# Altium PCB LimePSB-RPCM_1v5.PcbDoc (part 12 of 12)
Units mm, origin at the board's own origin, x right, y up, seen from the top; angles counter-clockwise.
Board outline 170 x 110 mm, 6 copper layers (Top, L2, L3, L4, L5, Bottom), stack 1.583 mm thick; 998 components, 580 nets, 4160 pads, 1908 vias.
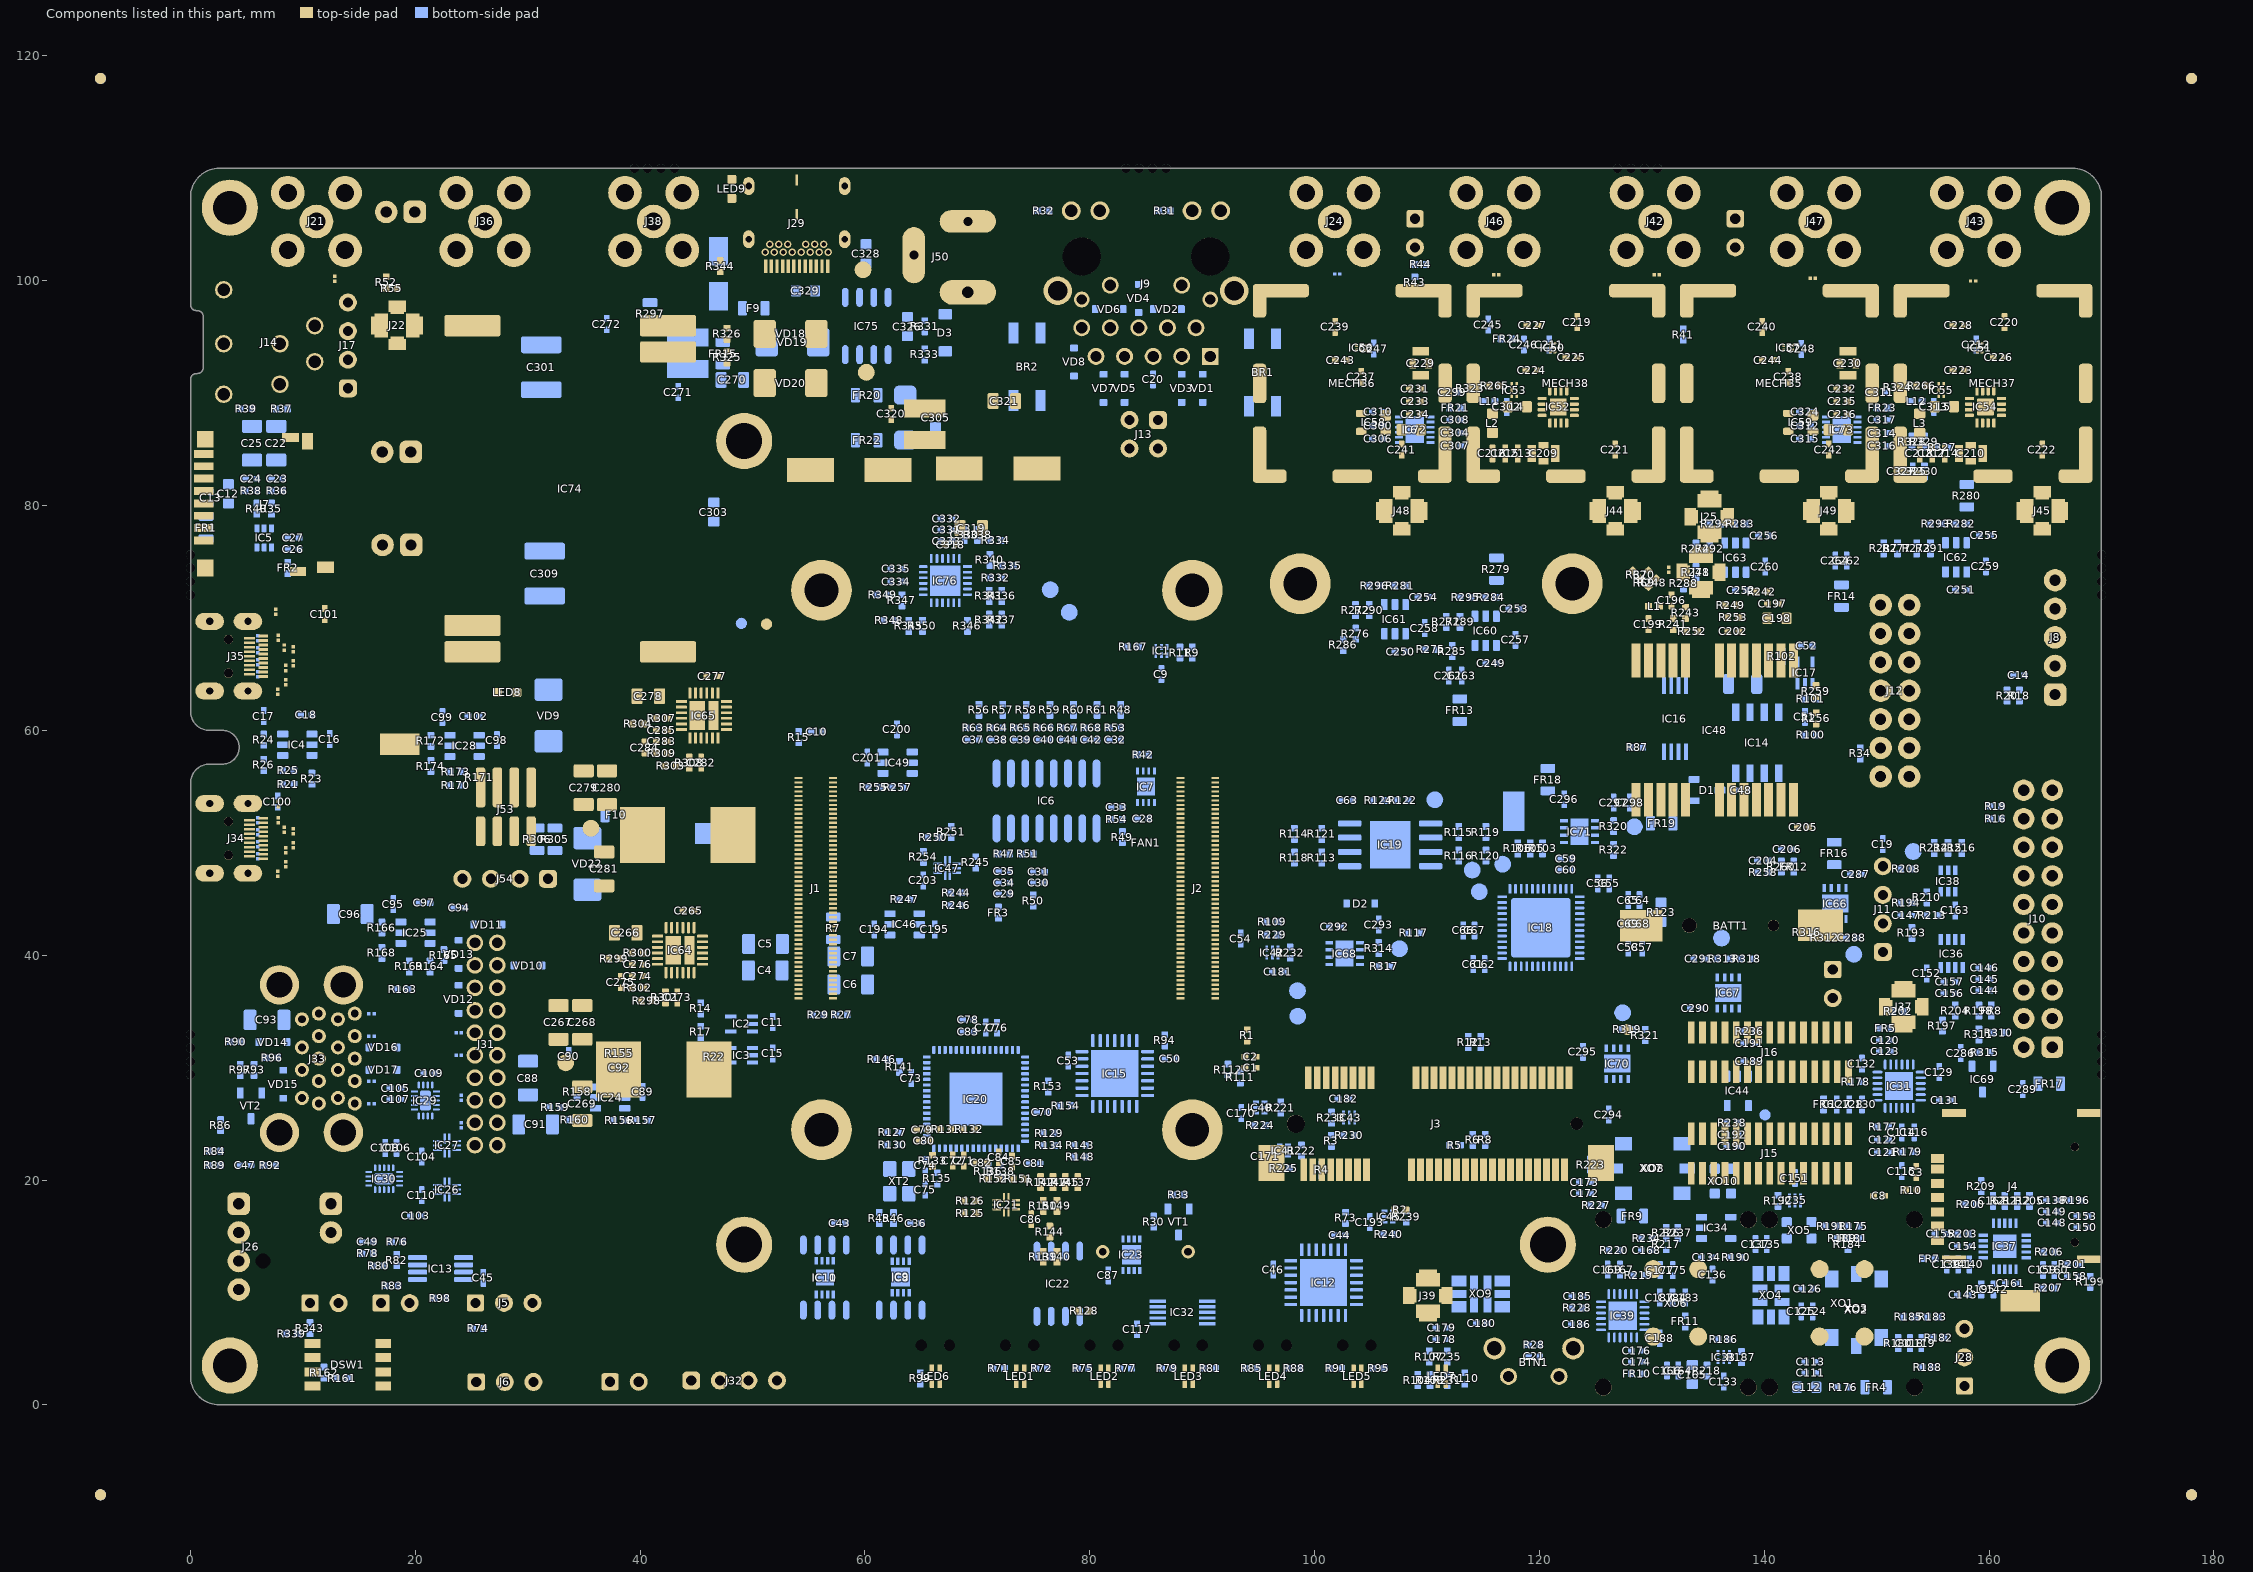
[diagram p16: the components of this part, seen from the top]

## Silkscreen, mask and mechanical layers (free items; w line width, h text height) (continued)
Mechanical1:
  drawing of 2615 lines, arcs and shapes, not listed
  text "v.PROJECT_VERSION" at 387.325,286.525 h7
  text "LimePSB RPCM" at 337.5,286.5 h7
  text "CONTROLLED IMPEDANCE" at 197.6,273 h3
  text "STACKUP AND LAYER DESCRIPTION" at 326.6,273 h3
  text "GENERAL PARAMETERS" at 211.5,266.5 h1.7
  text "Parameter" at 233.5,262.725 h1.5
  text "Layer/Layers" at 279,262.5 h1.5
  text "Value" at 309,262.5 h1.5
  text "Top" at 274,257.7 h1.5
  text "17.5um" at 301.3,257.7 h1.5
  text "Copper foil thickness" at 198.5,257.5 h1.5
  text "173um (6.8 mils)" at 300.6,253.1 h1.5
  text "Dielectric thickness between layers" at 198.5,252.5 h1.5
  text "4.2" at 301.5,247.7 h1.5
  text "Dielectric permittivity between layers (Er)" at 198.5,247.5 h1.5
  text "Top-L2" at 274,246.5 h1.5
  text "17.5um" at 301.3,242.7 h1.5
  text "Copper foil thickness" at 198.5,242.5 h1.5
  text "Bottom" at 274,241.5 h1.5
  text "173um (6.8 mils)" at 300.6,238.1 h1.5
  text "Dielectric thickness between layers" at 198.5,237.5 h1.5
  text "TH via" at 460.725,234.975 h1.52
  text "GERBER LAYER NAMES:" at 334.325,233.575 h1.52
  text "4.2" at 301.5,232.7 h1.5
  text "Dielectric permittivity between layers (Er)" at 198.5,232.5 h1.5
  text "Top-Bot" at 460.175,231.9 h1.52
  text "Bottom-L5" at 274,231.6 h1.5
  text "GTP" at 335.425,230.025 h1.52
  text "Top solder paste" at 340.525,229.675 h1
  text "GTO" at 335.425,226.95 h1.52
  text "Silkscreen" at 340.425,226.725 h1
  text "ELECTRICAL LAYERS:" at 474.725,225.475 h1.52
  text "CALCULATIONS" at 197.5,225 h1.7
  text "GTS" at 335.425,224.275 h1.52
  text "Soldermask (halogen free)" at 340.425,222.975 h1
  text "Top: RF//PWR/GND" at 475.4,222 h1.52
  text "GTL" at 335.425,221.775 h1.52
  text "0.5oz+plating" at 340.425,221.275 h1
  text "Target impedance" at 204.5,220 h1.5
  text "Single-ended" at 274,220 h1.5
  text "50R" at 300.5,220 h1.5
  text "6.8mil (173um)" at 372.285,219.1 h1
  text "IT180A: 1086X1+2113X1" at 389.385,219.1 h1.2
  text "PP" at 362.725,218.975 h1
  text "G1" at 335.425,217.275 h1.52
  text "L2: GND" at 475.425,216.975 h1.52
  text "1oz (35um)" at 340.285,216.925 h1
  text "Additional comments" at 204.5,215 h1.5
  text "Top layer, no side GND plane" at 274,215 h1.5
  text "10mil (250um)" at 372.285,214.6 h1
  text "IT180A: 2116X2" at 389.385,214.6 h1.2
  text "CORE" at 362.725,214.475 h1
  text "G2" at 335.425,212.775 h1.52
  text "L3: Signal/PWR/GND" at 475.425,212.475 h1.52
  text "1oz (35um)" at 340.285,212.425 h1
  text "IT180A: 7628X2" at 389.335,210.1 h1.2
  text "18mil (450um)" at 372.235,210.05 h1
  text "Top layer copper foil thickness" at 204.5,210 h1.5
  text "17.5 um" at 274,210 h1.5
  text "PP" at 362.725,209.975 h1
  text "G3" at 335.425,208.275 h1.52
  text "L4: PWR/Signal/GND" at 475.425,207.975 h1.52
  text "1oz (35um)" at 340.285,207.925 h1
  text "10mil (250um)" at 372.285,205.6 h1
  text "IT180A: 2116X2" at 389.385,205.6 h1.2
  text "CORE" at 362.725,205.475 h1
  text "Track width" at 204.5,205 h1.5
  text "0.325 mm (12.795 mils)" at 274,205 h1.5
  text "G4" at 335.425,203.775 h1.52
  text "L5: GND" at 475.525,203.475 h1.52
  text "1oz (35um)" at 340.285,203.425 h1
  text "IT180A: 1086X1+2113X1" at 389.41,201.3 h1.2
  text "6.8mil (173um)" at 372.285,201.1 h1
  text "PP" at 362.725,200.975 h1
  text "173um (6.8 mils)" at 274,200.1 h1.5
  text "Dielectric layer thickness" at 204.5,200 h1.5
  text "GBL" at 335.425,199.275 h1.52
  text "Bottom: RF/Signal/PWR/GND" at 475.475,199.25 h1.52
  text "0.5oz+plating" at 340.425,198.775 h1
  text "GBS" at 335.425,196.775 h1.52
  text "173um (6.8 mils)" at 300.6,196.6 h1.5
  text "Dielectric thickness between layers" at 204.5,196 h1.5
  text "Soldermask (halogen free)" at 340.425,195.575 h1
  text "ADDITIONAL LAYERS:" at 477.725,194.975 h1.52
  text "GBO" at 335.425,194.175 h1.52
  text "Silkscreen" at 340.425,193.975 h1
  text "4.2" at 301.5,191.2 h1.5
  text "GBP" at 335.425,191.2 h1.52
  text "Bottom solder paste" at 340.425,191 h1
  text "Mechanical 1: Board cutout" at 480.425,190.775 h1.52
  text "Dielectric permittivity between layers (Er)" at 204.5,190 h1.5
  text "Top-L2" at 274,190 h1.5
  text "Total PCB thicknes: 1.6mm +/- 10%" at 359.025,188.475 h1.52
  text "Via type #1" at 417.475,188.275 h1.52
  text "ASM TOP: Assembly top" at 480.425,187.775 h1.52
  text "0.2mm drill / 0.4mm ring" at 458.725,187.033 h1.2
  text "49.99 Ohms (+/- 10% tolerance)" at 274,185.1 h1.5
  text "RF (Top)" at 204,185 h2 r90
  text "Approximate microstrip line impedance" at 204.5,185 h1.5
  text "ASM BOT: Assembly bottom" at 480.425,184.775 h1.52
  text "Mechanical 13: Component 3D body" at 480.425,181.775 h1.52
  text "Target impedance" at 204.5,180 h1.5
  text "Differential" at 274,180 h1.5
  text "100R" at 300.5,180 h1.5
  text "Notes: Board shape and frame" at 480.5,178.85 h1.52
  text "Additional comments" at 204.5,175 h1.5
  text "Top layer, no side GND plane" at 274,175 h1.5
  text "Top layer copper foil thickness" at 204.5,170 h1.5
  text "17.5 um" at 274,170 h1.5
  text "Track width" at 204.5,165 h1.5
  text "0.2 mm (7.874 mils)" at 274,165 h1.5
  text "Track spacing" at 204.5,160 h1.5
  text "0.14 mm (5.511 mils)" at 274,160 h1.5
  text "173um (6.8 mils)" at 274,155.1 h1.5
  text "Dielectric layer thickness" at 204.5,155 h1.5
  text "173um (6.8 mils)" at 300.6,151.6 h1.5
  text "Dielectric thickness between layers" at 204.5,151 h1.5
  text "4.2" at 301.5,146.2 h1.5
  text "Dielectric permittivity between layers (Er)" at 204.5,145 h1.5
  text "Top-L2" at 274,145 h1.5
  text "100.6 Ohms (+/- 10% tolerance)" at 274,140.1 h1.5
  text "HDMI (Top)" at 204,140 h2 r90
  text "Approximate microstrip line impedance" at 204.5,140 h1.5
  text "Target impedance" at 204.5,135 h1.5
  text "Differential" at 274,135 h1.5
  text "90R" at 300.5,135 h1.5
  text "Additional comments" at 204.5,130 h1.5
  text "Top, bottom layer" at 274,130 h1.5
  text "Board Cutout" at 76.725,127.075 h1.5
  text "Top layer copper foil thickness" at 204.5,125 h1.5
  text "17.5 um" at 274,125 h1.5
  text "VERY IMPORTANT NOTES" at 326.6,121.8 h3
  text "Track width" at 204.5,120 h1.5
  text "0.2 mm (7.874 mils)" at 274,120 h1.5
  text "GENERAL PCB SPECS" at 326.6,115.3 h1.7
  text "ADDITIONAL REQUIREMENTS" at 435.6,115.3 h1.7
  text "Track spacing" at 204.5,115 h1.5
  text "0.1 mm (3.94 mils)" at 274,115 h1.5
  text "Minimum copper to copper spacing" at 327.5,110.3 h1.5
  text "0.1mm (3.9mil)" at 383,110.3 h1.5
  text "173um (6.8 mils)" at 274,110.1 h1.5
  text "Dielectric layer thickness" at 204.5,110 h1.5
  text "173um (6.8 mils)" at 300.6,106.6 h1.5
  text "Dielectric thickness between layers" at 204.5,106 h1.5
  text "Minimum track width" at 327.5,105.3 h1.5
  text "0.1mm (3.9mil)" at 383,105.3 h1.5
  text "Electrical test : 100 % netlist." at 440.55,105.3 h1.5
  text "4.2" at 301.5,101.2 h1.5
  text "PCB thickness" at 327.5,100.3 h1.5
  text "1.6mm +/-10%" at 383,100.3 h1.5
  text "Dielectric permittivity between layers (Er)" at 204.5,100 h1.5
  text "Top-L2; Bottom-L5" at 274,100 h1.5
  text "Boards are to be individually bagged." at 440.55,95.3 h1.5
  text "86 Ohms (+/- 10% tolerance)" at 274,95.1 h1.5
  text "USB3 (Top, Bottom)" at 204,95 h2 r90
  text "Approximate microstrip line impedance" at 204.5,95 h1.5
  text "PCB material" at 327.5,90.3 h1.5
  text "IT-180A preferred or equivalent RF-rated material (up to 3 GHz or higher)" at 384,90.2 h1.5
  text "Target impedance" at 204.5,90.1 h1.5
  text "Differential" at 274,90.1 h1.5
  text "90R" at 300.5,90.1 h1.5
  text "External layer" at 383,85.3 h1.5
  text "0.5 oz+plating" at 409.6,85.3 h1.5
  text "PCB vendor to silkscreen UL and RoHS compliance marks, vendor logo and date code on bottom where shown (ignore if none of the info will be placed on PCB)" at 440.55,85.3 h1.5
  text "Additional comments" at 204.5,85.1 h1.5
  text "L3 layer track with L2 reference" at 274,85.1 h1.5
  text "Copper weight" at 327.5,80.5 h1.5
  text "Internal layer" at 383,80.3 h1.5
  text "1 oz" at 409.5,80.3 h1.5
  text "Top layer copper foil thickness" at 204.5,80.1 h1.5
  text "17.5 um" at 274,80.1 h1.5
  text "DARK BLUE" at 383,75.3 h1.5
  text "Track width" at 204.5,75.1 h1.5
  text "0.15 mm (5.91 mils)" at 274,75.1 h1.5
  text "RPI CM4" at 71.4,74.45 h1
  text "Assembly note: Assembly house MUST provide notes in paper with shipped board if there were any changes during assembly and the board is not assembled 100% according to BOM and P&P files. Note example:" at 440.55,72.3 h1.5
  text "Both sides" at 383,70.3 h1.5
  text "Track spacing" at 204.5,70.1 h1.5
  text "0.1 mm (3.94 mils)" at 274,70.1 h1.5
  text "NPTH" at 75.35,68.3 h1
  text "Comment" at 501.3,68.25 h1.5
  text "Part" at 441.9,67 h1.5
  text "Initial BOM asm. note" at 450.3,67 h1.5
  text "Current PCB status" at 468.3,67 h1.5
  text "Halogen free" at 383,65.3 h1.5
  text "173um (6.8 mils)" at 274,65.2 h1.5
  text "Dielectric layer thickness" at 204.5,65.1 h1.5
  text "R1" at 443.15,62 h1.5
  text "FIT" at 456.4,62 h1.5
  text "NF" at 474.65,62 h1.5
  text "250um (10 mils)" at 300.6,61.7 h1.5
  text "Not mounted due to bad footprint" at 485.9,61.5 h1.5
  text "Dielectric thickness between layers" at 204.5,61.1 h1.5
  text "Solder mask" at 327.5,60.3 h1.5
  text "Glossy finish (NOT matte)" at 383,60.3 h1.5
  text "IC5" at 442.65,59 h1.5
  text "FIT" at 456.4,59 h1.5
  text "NF" at 474.65,58.5 h1.5
  text "Not mounted due to part shortage" at 485.9,58 h1.5
  text "4.2" at 301.5,56.3 h1.5
  text "White epoxy ink" at 383,55.3 h1.5
  text "Dielectric permittivity between layers (Er)" at 204.5,55.1 h1.5
  text "L2-L3" at 274,55.1 h1.5
  text "pin 102" at 91.4,54.075 h0.55 r90
  text "pin 101" at 88.05,54.05 h0.55 r90
  text "pin 2" at 58,53.175 h0.55 r90
  text "pin 1" at 54.65,53.15 h0.55 r90
  text "Mini PCIe card" at 104.175,51.05 h1
  text "Both sides" at 383,50.3 h1.5
  text "93 Ohms (+/- 10% tolerance)" at 274,50.2 h1.5
  text "USB3, HDMI (L3)" at 204,50.1 h2 r90
  text "Approximate microstrip line impedance" at 204.5,50.1 h1.5
  text "Halogen free" at 383,45.3 h1.5
  text "Silkscreen" at 327.5,40.3 h1.5
  text "No silkscreen on pads" at 383,40.3 h1.5
  text "Plated" at 383,35.3 h1.5
  text "Non-plated" at 409.5,35.3 h1.5
  text "pin 200" at 91.075,34.725 h0.55 r90
  text "pin 199" at 87.725,34.7 h0.55 r90
  text "pin 100" at 57.675,33.825 h0.55 r90
  text "pin 99" at 54.325,33.8 h0.55 r90
  text "Hole types on the PCB and information" at 327.5,25.3 h1.5
  text "Hole diameters are final manufactured diameters INCLUDING HOLE METALIZATION." at 387.2,25.3 h1.5
  text "WiFi Cutout" at 68.875,21.425 h0.55 r90
  text "V-score" at 383.75,20.3 h1.5
  text "Tab route" at 409.5,20.3 h1.5
  text "Route process" at 327.5,15.3 h1.5
  text "V-score and tab route" at 383.75,15.3 h1.5
  text "Panel" at 327.4,10.3 h1.5
  text "Yes" at 383.75,10.3 h1.5
  text "No" at 409.5,10.3 h1.5
  text "HASL lead free" at 383.75,5.3 h1.5
  text "HASL with lead" at 383.75,0.3 h1.5
  text "Immersion gold" at 383.75,-4.7 h1.5
  text "0.05-0.10um of gold over / 2.50-5.00um of nickel" at 405.15,-4.8 h1
  text "OSP" at 383.75,-9.7 h1.5
  text "Surface finish (both sides)" at 327.3,-15 h1.5
  text "Hard gold" at 383.75,-15 h1.5
Notes:
  lines w0.1: 0,28.25 -5,28.25 -5,-5 175,-5 175,28.25 170,28.25 ; 0,34.075 -5,34.075 -5,70.925 0,70.925 ; 0,76.75 -5,76.75 -5,115 38.35,115 38.35,110 ; 44.175,110 44.175,115 82.087,115 82.087,110 ; 87.913,110 87.913,115 125.825,115 125.825,110 ; 131.65,110 131.65,115 175,115 175,76.75 170,76.75 ; 170,34.075 175,34.075 175,70.925 170,70.925 ; -15.215,-15.2 185.215,-15.2 185.215,125.2 -15.215,125.2 -15.215,-15.2
  lines w0.15: 0,2.54 ccw(c2.54,2.54) 2.54,0 167.46,0 ccw(c167.46,2.54) 170,2.54 170,28.25 170,34.075 170,70.925 170,76.75 170,107.46 ccw(c167.46,107.46) 167.46,110 2.54,110 ccw(c2.54,107.46) 0,107.46 0,97.875 ccw(c0.525,97.875) 0.525,97.35 0.6,97.35 cw(c0.6,96.825) 1.125,96.825 1.125,92.275 cw(c0.6,92.275) 0.6,91.75 0.525,91.75 ccw(c0.525,91.225) 0,91.225 0,76.75 0,70.925 0,61.672 ccw(c1.674,61.672) 1.674,59.998 2.823,59.998 cw(c2.823,58.498) 4.323,58.498 cw(c2.823,58.498) 2.823,56.998 1.674,56.998 ccw(c1.674,55.324) 0,55.324 0,55 0,34.075 0,28.25 0,2.54
ASM BOT:
  lines w0.1: 4.075,82.975 5.4,82.375 ; 4.725,80.4 5.4,81.325 ; 4.975,78.475 5.9,79.725 ; 109.45,4.35 110.2,4.3 ; 110,1 110.275,2.2 ; 111.8,2.2 112.075,1 ; 118.075,49.5 118.6,47.825 ; 131.95,1.725 132.35,3.05
  lines w0.15: 38.35,110 2.54,110 ; 82.087,110 44.175,110 ; 108.6,69.85 109.798,69.1 ; 125.825,110 87.913,110 ; 131.65,110 167.46,110 ; 148.1,84.6 150.51,86.455 ; 150.515,87.636 151.8,87.675 ; 152.475,85.95 153.15,85.7 ; 158.475,33.2 159.1,32.95 ; 163.525,16.375 165.6,17.2 ; 2.54,110 ccw(c2.54,107.46) 0,107.46 0,97.875 ccw(c0.525,97.875) 0.525,97.35 0.6,97.35 cw(c0.6,96.825) 1.125,96.825 1.125,92.275 cw(c0.6,92.275) 0.6,91.75 0.525,91.75 ccw(c0.525,91.225) 0,91.225 0,76.75 0,70.925 0,61.672 ccw(c1.674,61.672) 1.674,59.998 2.823,59.998 cw(c2.823,58.498) 4.323,58.498 cw(c2.823,58.498) 2.823,56.998 1.674,56.998 ccw(c1.674,55.324) 0,55.324 0,55 0,34.075 0,28.25 0,2.54 ccw(c2.54,2.54) 2.54,0 167.46,0 ccw(c167.46,2.54) 170,2.54 170,28.25 170,34.075 170,70.925 170,76.75 170,107.46 ccw(c167.46,107.46) 167.46,110 ; 2.54,110 167.46,110 ; 44.175,110 44.175,110 ; 87.913,110 87.913,110
  lines w0.2: 125.625,52.825 126.6,51.475 ; 128.9,42.8 130.075,41.675
  text "Assembly bottom" at 93.65,110.925 h1.25
ASM TOP:
  drawing of 336 lines, arcs and shapes, not listed
  text "Assembly top" at 78.15,114.45 h1.25
  text "M2 screw, ex. MECH1" at 114.15,77.8 h0.55
  text "M2 screw, ex. MECH1" at 95.1,77.75 h0.55
  text "M2 screw, ex. MECH1" at 55.325,77.35 h0.55
  text "M2 screw, ex. MECH1" at 84.35,77.15 h0.55
  text "mPCIe thermal pad 20 mm x 20 mm" at 105.125,64.125 h0.7
  text "mPICe module assembly note: / 1) Additionally a required number of thermal pads (P/N 40016010) per batch of boards, rounding this number to whole pad pieces, have to be ordered (included in BOM Additional Info column). The thermal pad with a size of 100 mm x 100 mm is to be cut in 20 mm x 20 mm pieces (resulting in a possible total of 25 pcs. from a single whole pad). A single assembled PCB requires 1 pcs. of 20 mm x 20 mm pad per 1 board. Calculate the number of whole thermal pad (P/N 40016010) pieces based on the assembled board batch size, rounding this number to whole pad pieces. Example: 5 pcs. PCB batch requires 1 pcs. of thermal pad (P/N 40016010) with leftovers. 300 pcs. PCB batch requires 12 pcs. of thermal pads (P/N 40016010) without leftovers. / 2) Cut out 20 mm x 20 mm thermal pad per single PCB; / 3) Add a single 20 mm x 20 mm thermal pad to heat pads 1 and 2 over the rectangle on Assembly Top and Top Overlay layers on the PCB; / 4) The mPCIe module has to make proper contact to the thermal pad on the PCB;" at 59.625,45.8 h0.55
  text "Raspberry CM4/CM5 is mounted on top of J1 and J2 connectors first, then 4 pcs. of M2 screws are added to hold it in place." at 65.65,34.925 h0.7
  text "LimeSDR-XTRX is mounted into J3 connector first, then 2 pcs. of M2 screws are added to hold it in place." at 103.55,31.95 h0.7
  text "M2 screw, ex. MECH1" at 51.45,29.25 h0.55
  text "M2 screw, ex. MECH1" at 81.55,29.2 h0.55
  text "pin 20 removed" at 25.162,19.463 h0.55
  text "Jumper, ex. JMP2" at 20.2,4.725 h0.55
  text "FAN screws and spacers assembly" at 45.325,-4.425 h0.9
  text "FAN wire orientation" at 137.7,-4.475 h0.9
  text "FAN wires" at 141.9,-7.225 h0.9
  text "FAN wires must face top of the board and connector J27" at 125.1,-11.625 h0.9
  text "FAN orientation and screw position" at 83.6,-11.675 h0.9
  text "FAN" at 144,-14.1 h0.9
  text "FAN top" at 92.15,-18.5 h0.9
  text "3" at 43.325,-22.75 h0.9
  text "Mounted from PCB top through FAN hole M3" at 24.975,-23.075 h0.9
  text "ex. MECH34" at 25.075,-24.45 h0.9
  text "PCB" at 159.325,-25.1 h0.9
  text "J27" at 128.825,-25.675 h0.8
  text "Screw position on the FAN" at 76,-26.525 h0.9
  text "3" at 41.678,-27.729 h0.9
  text "Spacer sleeve M3" at 25.778,-28.029 h0.9
  text "Mounted from PCB top" at 11,-29.15 h0.9
  text "ex. MECH37" at 25.75,-29.325 h0.9
  text "FAN" at 126.45,-29.35 h0.8
  text "Screw M3" at 32.878,-34.928 h0.9
  text "3" at 41.856,-34.928 h0.9
  text "Mounted from PCB bottom" at 21.525,-35.625 h0.9
  text "FAN blowing direction. Arrow MUST be facing down (on the PCB)" at 93.5,-35.775 h0.9
  text "ex. MECH40" at 21.4,-37.275 h0.9
  text "Crimp ends with MECH23, MECH24, MECH25" at 134.45,-37.325 h0.8

## Dimensions
89.125,72.475 to 85.95,69.775 on Mechanical1
56.125,72.475 to 89.125,72.475 on Mechanical1
56.125,24.475 to 56.125,72.475 on Mechanical1
2.54,110 to 2.54,0 on Mechanical1
122.925,73.05 to 170,107.46 on Mechanical1
122.925,73.05 to 125.825,110 on Mechanical1
98.725,73.05 to 122.925,73.05 on Mechanical1
166.5,106.5 to 163.7,104.75 on Mechanical1
49.25,85.75 to 52.725,88.175 on Mechanical1
0,2.54 to 56.1,28.125 on Mechanical1
2.54,0 to 56.1,28.125 on Mechanical1
2.54,0 to 49.25,14.25 on Mechanical1
49.25,14.25 to 120.75,14.25 on Mechanical1
49.25,14.25 to 49.25,85.75 on Mechanical1
0,2.54 to 49.25,14.25 on Mechanical1
3.5,3.5 to 2.54,0 on Mechanical1
3.5,3.5 to 0,2.54 on Mechanical1
3.5,3.5 to 3.5,106.5 on Mechanical1
3.5,3.5 to 166.5,3.5 on Mechanical1
-15.2,125.2 to -15.2,-15.2 on Mechanical1
0,2.54 to 170,2.54 on Mechanical1
-15.2,-15.2 to 185.215,-15.2 on Mechanical1

## Text inside footprints (layer, text, board x,y; h text height)
BATT1: ASM TOP "POSITIVE / TERMINAL" at 129.675,40.4 h0.55 r90; ASM TOP "NEGATIVE / TERMINAL" at 146.775,40.9 h0.55 r90
BTN1: ASM TOP "Board edge" at 116.9,1.575 h0.55
BZ1: ASM TOP "positive (longer pin)" at 82.55,8.325 h0.55 r90
D2: ASM BOT "C" at 105.525,44.35 h0.55; ASM BOT "A" at 103.05,44.35 h0.55
D3: ASM BOT "A" at 66.875,96.85 h0.55 r270; ASM BOT "C" at 66.875,93.475 h0.55 r270
DSW1: ASM TOP "8" at 16.575,5.425 h0.55; ASM TOP "1" at 10.65,5.45 h0.55
FAN1: ASM TOP "FAN" at 51.525,10.65 h1.5
IC74: ASM TOP "1" at 42.775,67 h0.6 r90; ASM TOP "2" at 42.775,93.5 h0.6 r90; ASM TOP "3" at 42.775,95.5 h0.6 r90; ASM TOP "5" at 25.275,69 h0.6 r90; ASM TOP "6" at 25.275,67 h0.6 r90; ASM TOP "4" at 25.275,95.5 h0.6 r90
J1: ASM TOP "1" at 54.5,55.325 h0.55 r90; ASM TOP "2" at 57.2,55.425 h0.55 r90; ASM TOP "100" at 57.25,35.1 h0.55 r90; ASM TOP "99" at 54.55,35 h0.55 r90; TopOverlay "2" at 58.525,55.85 h0.55 r90; TopOverlay "1" at 53.425,55.75 h0.55 r90; TopOverlay "99" at 53.425,36.55 h0.55 r90; TopOverlay "100" at 58.525,36.65 h0.55 r90
J2: ASM TOP "1" at 88.5,55.325 h0.55 r90; ASM TOP "2" at 91.2,55.425 h0.55 r90; ASM TOP "100" at 91.25,35.1 h0.55 r90; ASM TOP "99" at 88.55,35 h0.55 r90; TopOverlay "2" at 92.525,55.85 h0.55 r90; TopOverlay "1" at 87.425,55.75 h0.55 r90; TopOverlay "99" at 87.425,36.55 h0.55 r90; TopOverlay "100" at 92.525,36.65 h0.55 r90
J3: ASM TOP "51" at 122.125,20.6 h0.55; ASM TOP "52" at 122.525,28.9 h0.55; ASM TOP "2" at 99.325,28.9 h0.55; ASM TOP "1" at 99.025,20.6 h0.55
J4: ASM TOP "CD" at 157.025,21.95 h0.55 r90; ASM TOP "C5" at 157.025,20.45 h0.55 r90; ASM TOP "C1" at 157.025,19.45 h0.55 r90; ASM TOP "C6" at 157.025,17.95 h0.55 r90; ASM TOP "C2" at 157.025,16.7 h0.55 r90; ASM TOP "C7" at 157.025,15.45 h0.55 r90; ASM TOP "C3" at 157.025,14.2 h0.55 r90
J7: ASM TOP "1" at 2.7,76.725 h0.55 r90; ASM TOP "8" at 2.7,84.275 h0.55 r90
J8: ASM TOP "KEY" at 167.825,67.475 h0.55 r90; ASM TOP "1" at 165.025,63.025 h0.55
J9: ASM TOP "1" at 90.1,92.925 h0.55; ASM TOP "9" at 80,92.925 h0.55; ASM TOP "11" at 90.3,98.025 h0.55; ASM TOP "14" at 78.9,98.025 h0.55
J10: ASM TOP "1" at 165.85,31.75 h0.55 r90; ASM TOP "2" at 163.35,31.75 h0.55 r90
J12: ASM TOP "1" at 153.175,55.75 h0.6 r90
J14: ASM TOP "Board edge" at 3.65,91.7 h0.55 r90; ASM TOP "5" at 9.95,92.7 h0.55 r90; ASM TOP "4" at 3.25,91 h0.55 r90; ASM TOP "3" at 9.95,95.9 h0.55 r90; ASM TOP "2" at 6.85,90.6 h0.55 r90; ASM TOP "1" at 3.25,97.9 h0.55 r90; TopOverlay "1" at 1.925,99.7 h0.55 r90; TopOverlay "2" at 8.25,88.4 h0.55 r90; TopOverlay "3" at 12.225,96.725 h0.55 r90; TopOverlay "4" at 3.35,88.4 h0.55 r90; TopOverlay "5" at 12.225,91.675 h0.55 r90
J15: ASM TOP "1" at 148,23.875 h0.55; ASM TOP "15" at 132,23.875 h0.55; ASM TOP "15" at 132,20.375 h0.55; ASM TOP "1" at 148,20.375 h0.55; TopOverlay "1" at 148.2,24.375 h0.55; TopOverlay "15" at 131.6,24.375 h0.55; TopOverlay "1" at 148.2,19.575 h0.55; TopOverlay "15" at 131.6,19.575 h0.55
J16: ASM TOP "15" at 132,32.875 h0.55; ASM TOP "1" at 148,29.375 h0.55; ASM TOP "1" at 148,32.875 h0.55; ASM TOP "15" at 132,29.375 h0.55; TopOverlay "1" at 148.2,28.575 h0.55; TopOverlay "15" at 131.6,28.575 h0.55; TopOverlay "15" at 131.6,33.375 h0.55; TopOverlay "1" at 148.2,33.375 h0.55
J20: ASM TOP "1" at 19.8,105.125 h0.55; ASM TOP "KEY" at 18,107.6 h0.55
J21: ASM TOP "Connector out" at 7.05,108.525 h0.55
J22: ASM TOP "in" at 17.875,97.425 h0.55
J24: ASM TOP "Connector out" at 98.45,106.975 h0.8
J25: ASM TOP "in" at 133.725,78.525 h0.55 r90
J26: ASM TOP "1" at 5.287,17.734 h0.55 r90; ASM TOP "KEY" at 2.562,14.641 h0.55 r90
J27: ASM TOP "KEY" at 11.016,15.934 h0.55 r90; ASM TOP "1" at 13.491,17.734 h0.55 r90
J29: ASM TOP "A12" at 49.85,101.225 h0.55; ASM TOP "A1" at 57.075,101.275 h0.55; ASM TOP "PCB edge" at 51.55,110.775 h0.55
J31: ASM TOP "1" at 25.25,40.85 h0.55; ASM TOP "2" at 27.15,40.85 h0.55; ASM TOP "20" at 26.825,24.125 h0.55; ASM TOP "19" at 24.875,22.825 h0.55; TopOverlay "1" at 22.425,40.925 h0.55; TopOverlay "2" at 29.925,40.875 h0.55; TopOverlay "20" at 29.925,22.75 h0.55; TopOverlay "19" at 21.825,22.7 h0.55
J33: ASM TOP "PCB edge" at 3.4,28.575 h0.55 r90; ASM TOP "10" at 13.51,34.475 h0.55 r90; ASM TOP "11" at 13.51,31.975 h0.55 r90; ASM TOP "12" at 13.51,29.975 h0.55 r90; ASM TOP "13" at 13.51,27.475 h0.55 r90; ASM TOP "18" at 15.01,34.975 h0.55 r90; ASM TOP "17" at 15.01,32.975 h0.55 r90; ASM TOP "16" at 15.01,30.975 h0.55 r90; ASM TOP "15" at 15.01,28.975 h0.55 r90; ASM TOP "14" at 15.01,26.975 h0.55 r90; ASM TOP "5" at 11.81,26.675 h0.55 r90; ASM TOP "6" at 11.81,28.675 h0.55 r90; ASM TOP "7" at 11.81,30.675 h0.55 r90; ASM TOP "8" at 11.81,32.675 h0.55 r90; ASM TOP "9" at 11.81,34.675 h0.55 r90; ASM TOP "4" at 10.31,27.175 h0.55 r90; ASM TOP "3" at 10.31,29.675 h0.55 r90; ASM TOP "2" at 10.31,31.675 h0.55 r90; ASM TOP "1" at 10.31,34.175 h0.55 r90
J34: ASM TOP "PCB Edge" at 0.675,48.875 h0.41 r90
J35: ASM TOP "PCB Edge" at 0.675,65.45 h0.41 r90
J36: ASM TOP "Connector out" at 22.85,108.55 h0.55
J37: ASM TOP "in" at 150.825,35.1 h0.55 r90
J38: ASM TOP "Connector out" at 37.85,108.55 h0.55
J39: ASM TOP "in" at 111.275,9.15 h0.55
J41: ASM TOP "in" at 132.975,73.575 h0.55 r90
J42: ASM TOP "Connector out" at 126.95,108.55 h0.55
J43: ASM TOP "Connector out" at 155.45,108.55 h0.55
J44: ASM TOP "in" at 126.24,80.925 h0.55
J45: ASM TOP "in" at 164.24,80.925 h0.55
J46: ASM TOP "Connector out" at 112.7,106.975 h0.8
J47: ASM TOP "Connector out" at 141.2,108.55 h0.55
J48: ASM TOP "in" at 107.24,80.925 h0.55
J49: ASM TOP "in" at 145.24,80.925 h0.55
J51: ASM TOP "KEY" at 17.675,77.975 h0.55; ASM TOP "1" at 19.475,75.5 h0.55
J52: ASM TOP "1" at 19.6,83.825 h0.55; ASM TOP "KEY" at 17.55,85.95 h0.55
J53: ASM TOP "1" at 31.525,56.5 h0.55 r90; TopOverlay "1" at 31.6,56.575 h0.55 r90
L8: ASM BOT "No polarity" at 45.375,91.875 h0.3 r270
L9: ASM TOP "no polarity" at 44.1,26.925 h0.55 r90
L10: ASM TOP "no polarity" at 45.85,48 h0.55 r90
L13: ASM TOP "No polarity" at 67.025,85.625 h0.3 r90
LED1: ASM TOP "C" at 74.085,3.228 h0.55 r90; ASM TOP "A" at 74.085,1.428 h0.55 r90
LED2: ASM TOP "C" at 81.585,3.228 h0.55 r90; ASM TOP "A" at 81.585,1.428 h0.55 r90
LED3: ASM TOP "C" at 89.085,3.228 h0.55 r90; ASM TOP "A" at 89.085,1.428 h0.55 r90
LED4: ASM TOP "C" at 96.585,3.225 h0.55 r90; ASM TOP "A" at 96.585,1.425 h0.55 r90
LED5: ASM TOP "C" at 104.085,3.225 h0.55 r90; ASM TOP "A" at 104.085,1.425 h0.55 r90
LED6: ASM TOP "A" at 66.585,1.428 h0.55 r90; ASM TOP "C" at 66.585,3.228 h0.55 r90
LED7: ASM TOP "C" at 111.585,3.225 h0.55 r90; ASM TOP "A" at 111.585,1.425 h0.55 r90
LED8: ASM TOP "A" at 29.075,63.125 h0.55; ASM TOP "C" at 27.025,63.125 h0.55
LED9: ASM TOP "A" at 48.45,106.975 h0.55 r90; ASM TOP "C" at 48.45,108.775 h0.55 r90
MECH2: ASM TOP "SMT M2 screw standoff" at 116.1,68.15 h0.4
MECH4: ASM TOP "SMT M2 screw standoff" at 96.55,68.175 h0.4
MECH6: ASM TOP "SMT M2 screw standoff" at 51.15,67.85 h0.4
MECH8: ASM TOP "SMT M2 screw standoff" at 85.275,67.95 h0.4
MECH10: ASM TOP "SMT M2 screw standoff" at 85.25,19.875 h0.4
MECH12: ASM TOP "SMT M2 screw standoff" at 52.125,19.85 h0.4
MECH35: ASM TOP "RF shield frame" at 132.425,81.125 h0.55
MECH36: ASM TOP "RF shield frame" at 94.4,81.025 h0.55
MECH37: ASM TOP "RF shield frame" at 151.475,81.025 h0.55
MECH38: ASM TOP "RF shield frame" at 113.375,81 h0.55
MECH39: ASM TOP "RF shield cover" at 95.9,87.4 h0.55 r90
MECH40: ASM TOP "RF shield cover" at 130.35,87.375 h0.55 r90
MECH41: ASM TOP "RF shield cover" at 168.35,87.375 h0.55 r90
MECH42: ASM TOP "RF shield cover" at 133.925,87.275 h0.55 r90
VD1: ASM BOT "C" at 89.795,89 h0.55 r270; ASM BOT "A" at 89.795,91.475 h0.55 r270
VD2: ASM BOT "A" at 88.45,97.2 h0.55; ASM BOT "C" at 85.975,97.2 h0.55
VD3: ASM BOT "C" at 87.925,89 h0.55 r270; ASM BOT "A" at 87.925,91.475 h0.55 r270
VD4: ASM BOT "A" at 84.45,97.025 h0.55; ASM BOT "C" at 84.475,99.35 h0.55
VD5: ASM BOT "A" at 82.85,91.475 h0.55 r270; ASM BOT "C" at 82.85,89 h0.55 r270
VD6: ASM BOT "A" at 83.275,97.2 h0.55; ASM BOT "C" at 80.8,97.2 h0.55
VD7: ASM BOT "A" at 80.975,91.475 h0.55 r270; ASM BOT "C" at 80.975,89 h0.55 r270
VD8: ASM BOT "A" at 78.35,93.825 h0.55 r270; ASM BOT "C" at 78.35,91.35 h0.55 r270
VD9: ASM BOT "C" at 32.125,62.775 h0.55 r270; ASM BOT "A" at 32.125,58.875 h0.55 r270
VD10: ASM BOT "A" at 28.975,38.825 h0.55; ASM BOT "C" at 31.45,38.825 h0.55
VD11: ASM BOT "A" at 27.725,42.45 h0.55; ASM BOT "C" at 25.4,42.45 h0.55
VD12: ASM BOT "C" at 23.675,34.675 h0.55 r270; ASM BOT "A" at 23.675,37.075 h0.55 r270
VD13: ASM BOT "C" at 23.625,41.15 h0.55 r270; ASM BOT "A" at 23.625,38.675 h0.55 r270
VD14: ASM BOT "A" at 8.7,32.025 h0.55; ASM BOT "C" at 6.225,32.025 h0.55
VD15: ASM BOT "A" at 8.1,29.5 h0.55 r270; ASM BOT "C" at 8.025,27.075 h0.55 r270
VD16: ASM BOT "A" at 16.075,31.55 h0.55; ASM BOT "C" at 18.55,31.55 h0.55
VD17: ASM BOT "A" at 16.075,29.55 h0.55; ASM BOT "C" at 18.55,29.55 h0.55
VD18: ASM TOP "C" at 51.175,94.775 h0.55; ASM TOP "A" at 55.075,94.775 h0.55
VD19: ASM BOT "C" at 51.6,94.35 h0.55; ASM BOT "A" at 55.9,94.35 h0.55
VD20: ASM TOP "A" at 55.075,90.4 h0.55; ASM TOP "C" at 51.175,90.4 h0.55
VD21: ASM BOT "A" at 47.225,102.5 h0.55; ASM BOT "C" at 47.175,98.025 h0.55
VD22: ASM BOT "A" at 35.425,45.85 h0.55 r270; ASM BOT "C" at 35.425,49.75 h0.55 r270
VD23: ASM BOT "C" at 63.075,89.425 h0.55 r270; ASM BOT "A" at 63.075,85.425 h0.55 r270
XO1: TopOverlay "OCXO" at 145.225,0.65 h0.9
XO6: TopOverlay "OCXO" at 130.075,0.675 h0.9